# Altium PCB CU-ON-OFF-V2-08-11-18.PcbDoc (part 4 of 14) (continued)
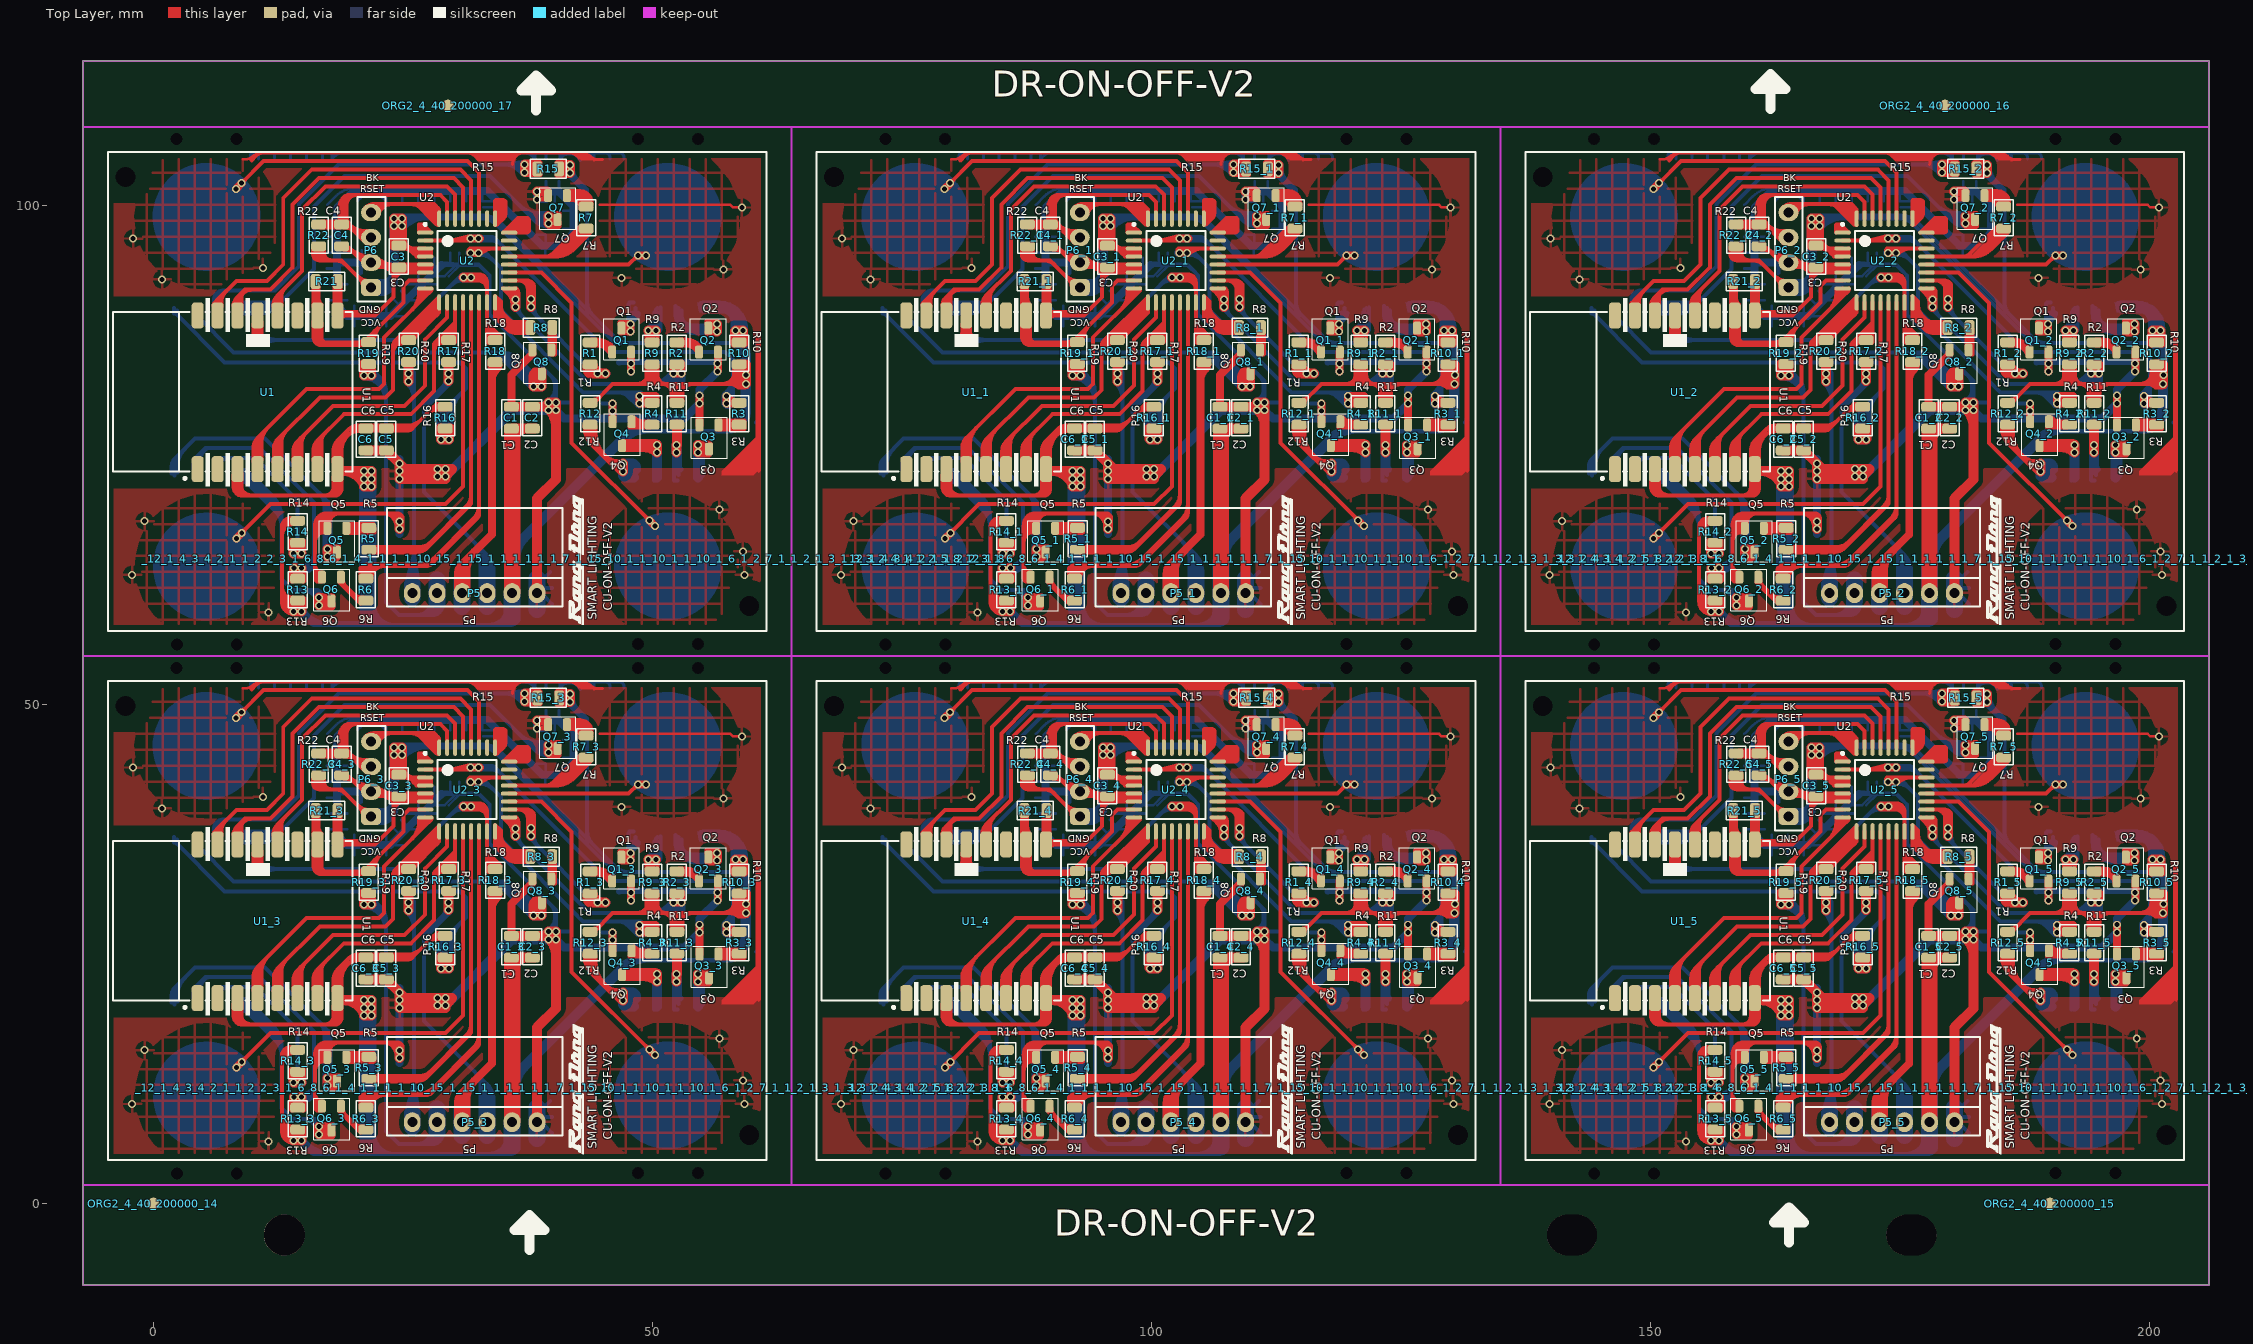
[diagram p0: Top Layer view]
## Nets (pads, with @x,y where several pads share a name; then routed paths per layer and width w, separated by ;. In a path a pad name is that pad's centre, name@x,y a point inside that pad or via, vN(x,y) a via of type N, cw(c..) or ccw(c..) an arc to the next point about the centre after c; other vN are vias at no path point) (continued)
cw(c84.891,13.382) 84.891,13.507 ; 84.791,12.657 85.941,12.657 ccw(c85.941,12.732) 86.016,12.732 ; v1@84.791,63.656 84.791,62.456 ccw(c84.941,62.456) 84.941,62.306 ; v1@84.791,65.131 cw(c84.791,65.156) 84.766,65.156 84.766,66.381 cw(c84.891,66.381) 84.891,66.506 ; 84.791,65.656 85.941,65.656 ccw(c85.941,65.731) 86.016,65.731 ; v1@84.942,10.522 cw(c84.6,10.181) 85.083,10.181 cw(c85.566,10.181) v1@85.224,10.522 ; v1@84.942,63.521 cw(c84.6,63.18) 85.083,63.18 cw(c85.566,63.18) v1@85.224,63.521 ; v1@84.955,6.508 ccw(c84.42,7.407) 85.466,7.407 ; v1@84.955,12.308 ccw(c84.42,13.207) 85.466,13.207 ; v1@84.955,59.507 ccw(c84.42,60.406) 85.466,60.406 ; v1@84.955,65.307 ccw(c84.42,66.206) 85.466,66.206 ; v1@84.983,10.49 cw(c84.746,10.081) 85.203,10.203 ; v1@84.983,63.489 cw(c84.746,63.08) 85.203,63.202 ; 84.993,15.206 ccw(c84.541,14.798) 84.541,15.407 ; 84.993,15.608 cw(c84.541,16.016) 84.541,15.407 ; 84.993,68.205 ccw(c84.541,67.797) 84.541,68.406 ; 84.993,68.607 cw(c84.541,69.015) 84.541,68.406 ; 85.004,7.195 ccw(c84.492,6.683) 84.492,7.407 ccw(c84.492,8.131) 85.004,7.619 ; 85.004,60.194 ccw(c84.492,59.682) 84.492,60.406 ccw(c84.492,61.13) 85.004,60.618 ; v1@85.083,10.652 ccw(c86.261,10.652) 85.428,9.819 ; v1(85.083,10.664) 85.083,9.99 85.466,9.607 ; v1@85.083,63.651 ccw(c86.261,63.651) 85.428,62.818 ; v1(85.083,63.662) 85.083,62.989 85.466,62.606 ; 85.158,21.565 ccw(c84.475,22.248) 85.441,22.248 ccw(c86.407,22.248) 85.724,21.565 ; 85.158,74.564 ccw(c84.475,75.247) 85.441,75.247 ccw(c86.407,75.247) 85.724,74.564 ; v1@85.16,6.165 ccw(c84.839,6.703) 85.466,6.703 ; v1@85.16,11.965 ccw(c84.84,12.503) 85.466,12.503 ; v1@85.16,59.164 ccw(c84.839,59.702) 85.466,59.702 ; v1@85.16,64.964 ccw(c84.84,65.502) 85.466,65.502 ; 85.254,12.995 cw(c84.742,12.483) 85.466,12.483 cw(c86.19,12.483) 85.678,12.995 ; 85.254,65.994 cw(c84.742,65.482) 85.466,65.482 cw(c86.19,65.482) 85.678,65.994 ; v1@85.256,10.564 ccw(c85.683,10.317) 85.207,10.19 ccw(c85.24,10.19) 85.24,10.157 85.991,10.157 ; v1@85.256,63.562 ccw(c85.683,63.316) 85.207,63.189 ccw(c85.24,63.189) 85.24,63.156 85.991,63.156 ; 85.258,7.191 cw(c84.791,6.703) 85.466,6.703 ; 85.258,60.19 cw(c84.791,59.702) 85.466,59.702 ; 85.266,15.707 84.841,15.707 ccw(c84.841,14.732) 83.866,14.732 ; 85.266,68.706 84.841,68.706 ccw(c84.841,67.731) 83.866,67.731 ; 85.347,12.926 ccw(c86.198,13.154) v1@85.9,12.325 ; 85.347,65.925 ccw(c86.198,66.153) v1@85.9,65.324 ; 85.35,7.137 ccw(c86.227,7.373) v1@85.904,6.523 ; 85.35,60.136 ccw(c86.227,60.372) v1@85.904,59.522 ; 85.466,6.652 ccw(c86.047,6.652) v1@85.72,6.171 ; v1@85.466,12.157 85.466,13.207 ; 85.466,12.452 ccw(c86.047,12.452) v1@85.72,11.971 ; 85.466,15.407 84.541,15.407 ; 85.466,59.651 ccw(c86.047,59.651) v1@85.72,59.17 ; v1@85.466,65.156 85.466,66.206 ; 85.466,65.451 ccw(c86.047,65.451) v1@85.72,64.97 ; 85.466,68.406 84.541,68.406 ; v1@85.566,6.057 85.136,6.057 cw(c85.136,7.327) 83.866,7.327 83.866,8.007 ; v1@85.566,59.056 85.136,59.056 cw(c85.136,60.326) 83.866,60.326 83.866,61.006 ; v1@85.633,6.337 ccw(c85.15,6.337) 85.491,6.678 ccw(c85.833,7.019) v1@85.833,6.537 ; v1@85.633,59.336 ccw(c85.15,59.336) 85.491,59.677 ccw(c85.833,60.018) v1@85.833,59.536 ; 85.641,22.457 85.641,23.38 cw(c86.068,23.38) 85.766,23.682 ccw(c87.516,21.932) 85.041,21.932 85.041,21.307 85.041,22.391 cw(c86.407,22.391) 85.441,23.357 ; 85.641,75.456 85.641,76.379 cw(c86.068,76.379) 85.766,76.681 ccw(c87.516,74.931) 85.041,74.931 85.041,74.306 85.041,75.39 cw(c86.407,75.39) 85.441,76.356 ; 85.674,7.191 ccw(c86.141,6.703) 85.466,6.703 ; 85.674,60.19 ccw(c86.141,59.702) 85.466,59.702 ; 85.691,20.582 85.441,20.832 85.441,23.357 ; 85.691,73.581 85.441,73.831 85.441,76.356 ; v1(85.833,6.337) 85.466,6.703 ; v1(85.833,59.336) 85.466,59.702 ; 85.841,21.332 85.841,23.05 cw(c87.548,23.05) 86.341,24.257 ; 85.841,74.331 85.841,76.049 cw(c87.548,76.049) 86.341,77.256 ; v1@85.945,6.502 cw(c86.56,7.407) 85.466,7.407 ; v1@85.945,12.302 cw(c86.56,13.207) 85.466,13.207 ; v1@85.945,59.501 cw(c86.56,60.406) 85.466,60.406 ; v1@85.945,65.301 cw(c86.56,66.206) 85.466,66.206 ; 85.966,13.482 cw(c85.966,13.332) 86.116,13.332 86.116,12.207 cw(c86.066,12.207) v1@86.066,12.157 ; 85.966,66.481 cw(c85.966,66.331) 86.116,66.331 86.116,65.206 cw(c86.066,65.206) v1@86.066,65.156 ; 85.991,7.707 cw(c85.991,7.557) 86.141,7.557 86.141,6.407 cw(c86.066,6.407) v1@86.066,6.332 ; 85.991,9.307 ccw(c85.991,9.457) 86.141,9.457 v1@86.141,10.682 ; 85.991,60.706 cw(c85.991,60.556) 86.141,60.556 86.141,59.406 cw(c86.066,59.406) v1@86.066,59.331 ; 85.991,62.306 ccw(c85.991,62.456) 86.141,62.456 v1@86.141,63.681 ; 87.016,42.832 87.016,42.069 ccw(c87.528,42.069) 87.166,41.707 ccw(c87.649,42.19) 87.649,41.507 88.016,41.507 ; 87.016,95.831 87.016,95.068 ccw(c87.528,95.068) 87.166,94.706 ccw(c87.649,95.189) 87.649,94.506 88.016,94.506 ; 87.041,34.332 87.041,33.836 ccw(c87.894,33.836) 87.291,33.232 ccw(c87.774,33.715) 87.774,33.032 87.891,33.032 ; 87.041,35.357 87.041,34.2 ccw(c87.809,34.2) 87.266,33.657 ; 87.041,36.882 87.041,38.839 cw(c87.809,38.839) 87.266,39.382 ; 87.041,87.331 87.041,86.835 ccw(c87.894,86.835) 87.291,86.231 ccw(c87.774,86.714) 87.774,86.031 87.891,86.031 ; 87.041,88.356 87.041,87.199 ccw(c87.809,87.199) 87.266,86.656 ; 87.041,89.881 87.041,91.838 cw(c87.809,91.838) 87.266,92.381 ; 87.054,38.92 cw(c86.542,38.408) 87.266,38.408 cw(c87.99,38.408) 87.478,38.92 ; 87.054,91.919 cw(c86.542,91.407) 87.266,91.407 cw(c87.99,91.407) 87.478,91.919 ; 87.066,42.532 87.591,42.532 87.591,41.932 88.016,41.507 ; 87.066,95.531 87.591,95.531 87.591,94.931 88.016,94.506 ; 87.158,21.565 ccw(c86.475,22.248) 87.441,22.248 ccw(c88.407,22.248) 87.724,21.565 ; 87.158,74.564 ccw(c86.475,75.247) 87.441,75.247 ccw(c88.407,75.247) 87.724,74.564 ; 87.191,11.182 87.191,10.975 ccw(c87.959,10.975) 87.416,10.432 87.418,10.43 ccw(c88.016,11.027) 88.016,10.182 ; 87.191,64.181 87.191,63.974 ccw(c87.959,63.974) 87.416,63.431 87.418,63.428 ccw(c88.016,64.026) 88.016,63.181 ; 87.266,33.894 cw(c88.829,33.894) 87.724,34.999 ; 87.266,38.07 ccw(c88.829,38.07) 87.724,36.965 ; 87.266,38.732 87.266,33.657 ; 87.266,86.893 cw(c88.829,86.893) 87.724,87.998 ; 87.266,91.069 ccw(c88.829,91.069) 87.724,89.964 ; 87.266,91.731 87.266,86.656 ; v1@87.456,7.041 cw(c88.068,6.608) 88.068,7.357 ; v1@87.456,60.04 cw(c88.068,59.607) 88.068,60.356 ; 87.466,10.182 87.466,9.342 cw(c87.451,9.342) 87.462,9.332 ; 87.466,45.107 89.866,45.107 89.866,47.282 90.636,48.052 ; 87.466,63.181 87.466,62.341 cw(c87.451,62.341) 87.462,62.331 ; 87.466,98.106 89.866,98.106 89.866,100.281 90.636,101.051 ; v1@87.471,7.566 ccw(c87.941,7.99) 87.941,7.357 ; v1@87.471,60.565 ccw(c87.941,60.989) 87.941,60.356 ; 87.541,39.357 87.541,37.781 ccw(c88.565,37.781) 87.841,37.057 ; 87.541,92.356 87.541,90.78 ccw(c88.565,90.78) 87.841,90.056 ; 87.566,34.807 87.566,33.946 ccw(c87.781,33.946) 87.629,33.794 cw(c87.117,33.282) 87.841,33.282 ; 87.566,87.806 87.566,86.945 ccw(c87.781,86.945) 87.629,86.793 cw(c87.117,86.281) 87.841,86.281 ; 87.591,42.122 ccw(c86.781,42.122) 87.354,42.695 87.354,41.894 cw(c87.329,41.894) 87.346,41.876 ccw(c87.816,42.346) 87.816,41.682 ; 87.591,42.243 cw(c88.23,42.243) 87.778,42.695 ccw(c89.046,42.695) 88.149,41.799 88.178,41.77 cw(c87.964,41.557) 88.266,41.557 ; 87.591,95.121 ccw(c86.781,95.121) 87.354,95.694 87.354,94.893 cw(c87.329,94.893) 87.346,94.875 ccw(c87.816,95.345) 87.816,94.681 ; 87.591,95.242 cw(c88.23,95.242) 87.778,95.694 ccw(c89.046,95.694) 88.149,94.798 88.178,94.769 cw(c87.964,94.556) 88.266,94.556 ; 87.603,14.419 cw(c88.187,13.835) 88.522,14.59 ; 87.603,67.418 cw(c88.187,66.834) 88.522,67.589 ; v1@87.616,7.907 ccw(c87.616,7.957) 87.666,7.957 cw(c87.691,7.957) 87.691,7.982 88.891,7.982 cw(c88.891,7.832) 89.041,7.832 ; v1@87.616,60.906 ccw(c87.616,60.956) 87.666,60.956 cw(c87.691,60.956) 87.691,60.981 88.891,60.981 cw(c88.891,60.831) 89.041,60.831 ; v1@87.619,7.5 cw(c87.619,7.017) 87.961,7.359 cw(c88.302,7.7) v1@87.819,7.7 ; v1(87.619,7.7) 87.962,7.357 88.841,7.357 ; v1@87.619,60.499 cw(c87.619,60.016) 87.961,60.358 cw(c88.302,60.699) v1@87.819,60.699 ; v1(87.619,60.699) 87.962,60.356 88.841,60.356 ; v1@87.641,6.632 88.866,6.632 ccw(c88.866,6.807) 89.041,6.807 89.041,7.057 ccw(c88.966,7.057) 88.966,7.132 ; v1@87.641,59.631 88.866,59.631 ccw(c88.866,59.806) 89.041,59.806 89.041,60.056 ccw(c88.966,60.056) 88.966,60.131 ; v1@87.651,7.171 ccw(c87.389,7.561) v1@87.791,7.803 ; v1@87.651,60.17 ccw(c87.389,60.56) v1@87.791,60.802 ; 87.691,20.582 87.441,20.832 87.441,23.432 ; 87.691,73.581 87.441,73.831 87.441,76.431 ; 87.741,44.807 89.71,44.807 ; 87.741,97.806 89.71,97.806 ; v1@87.768,7.834 ccw(c88.841,8.802) 88.841,7.357 ccw(c88.841,6.061) v1@87.783,6.81 ; v1@87.768,60.833 ccw(c88.841,61.801) 88.841,60.356 ccw(c88.841,59.06) v1@87.783,59.809 ; 87.841,21.232 87.841,23.372 cw(c88.951,23.372) 88.166,24.157 ; 87.841,35.207 87.841,33.774 ccw(c88.366,33.774) 87.995,33.403 ; 87.841,74.231 87.841,76.371 cw(c88.951,76.371) 88.166,77.156 ; 87.841,88.206 87.841,86.773 ccw(c88.366,86.773) 87.995,86.402 ; 87.866,9.332 87.462,9.332 ; 87.866,62.331 87.462,62.331 ; 87.874,10.206 cw(c87.803,11.069) 87.191,10.457 ; 87.874,63.205 cw(c87.803,64.068) 87.191,63.456 ; 87.891,9.757 87.191,10.457 ; 87.891,23.882 ccw(c89.943,21.83) 87.041,21.83 87.041,21.457 87.041,22.466 cw(c88.407,22.466) 87.441,23.432 ; 87.891,62.756 87.191,63.456 ; 87.891,76.881 ccw(c89.943,74.829) 87.041,74.829 87.041,74.456 87.041,75.465 cw(c88.407,75.465) 87.441,76.431 ; v1@87.941,7.757 88.841,7.757 ; v1@87.941,60.756 88.841,60.756 ; 88.028,44.895 cw(c88.54,44.383) 88.54,45.107 cw(c88.54,45.831) 88.028,45.319 ; 88.028,97.894 cw(c88.54,97.382) 88.54,98.106 cw(c88.54,98.83) 88.028,98.318 ; 88.116,43.007 88.116,42.155 ccw(c88.713,42.155) 88.291,41.732 ccw(c88.834,42.275) 88.834,41.507 ; 88.116,96.006 88.116,95.153 ccw(c88.713,95.153) 88.291,94.731 ccw(c88.834,95.274) 88.834,94.506 ; 88.191,17.932 ccw(c88.191,18.837) 88.831,18.197 ccw(c88.325,18.704) 89.041,18.704 89.041,19.807 ; 88.191,70.931 ccw(c88.191,71.836) 88.831,71.196 ccw(c88.325,71.703) 89.041,71.703 89.041,72.806 ; 88.316,6.632 88.316,6.832 cw(c88.7,6.832) 88.7,7.216 ccw(c88.358,6.874) 88.358,7.357 ccw(c88.358,7.84) 88.7,7.498 ; 88.316,59.631 88.316,59.831 cw(c88.7,59.831) 88.7,60.215 ccw(c88.358,59.873) 88.358,60.356 ccw(c88.358,60.839) 88.7,60.497 ; v1@88.466,11.557 88.466,11.532 89.266,11.532 ccw(c89.266,11.857) 89.591,11.857 ; v1@88.466,12.907 89.591,12.907 89.591,12.507 ; 88.466,15.107 87.913,15.107 ; v1@88.466,64.556 88.466,64.531 89.266,64.531 ccw(c89.266,64.856) 89.591,64.856 ; v1@88.466,65.906 89.591,65.906 89.591,65.506 ; 88.466,68.106 87.913,68.106 ; v1@88.47,12.475 v1@88.627,12.632 ; v1@88.47,65.474 v1@88.627,65.631 ; v1@88.611,12.459 cw(c89.03,12.04) 89.03,12.632 ; v1@88.611,12.741 ccw(c88.876,13.006) 88.876,12.632 ; v1@88.611,65.458 cw(c89.03,65.039) 89.03,65.631 ; v1@88.611,65.74 ccw(c88.876,66.005) 88.876,65.631 ; v1@88.613,12.46 cw(c88.851,12.226) 88.938,12.549 ; v1@88.613,65.459 cw(c88.851,65.225) 88.938,65.548 ; 88.616,14.807 88.616,15.616 cw(c88.957,15.616) 88.716,15.857 cw(c89.44,15.133) 89.44,16.157 89.991,16.157 ; 88.616,67.806 88.616,68.615 cw(c88.957,68.615) 88.716,68.856 cw(c89.44,68.132) 89.44,69.156 89.991,69.156 ; 88.641,14.807 88.641,15.193 cw(c89.58,15.193) 88.916,15.857 cw(c89.64,15.133) 89.64,16.157 90.391,16.157 ; 88.641,67.806 88.641,68.192 cw(c89.58,68.192) 88.916,68.856 cw(c89.64,68.132) 89.64,69.156 90.391,69.156 ; 88.891,33.032 cw(c88.891,34.299) 87.995,33.403 ; 88.891,86.031 cw(c88.891,87.298) 87.995,86.402 ; 88.991,11.557 ccw(c88.991,11.596) 89.03,11.596 ; 88.991,64.556 ccw(c88.991,64.595) 89.03,64.595 ; 89.041,21.307 89.041,22.406 cw(c90.492,22.406) 89.466,23.432 ; 89.041,74.306 89.041,75.405 cw(c90.492,75.405) 89.466,76.431 ; 89.158,19.599 cw(c88.415,18.856) 89.466,18.856 ; 89.158,21.565 ccw(c88.415,22.308) 89.466,22.308 ; 89.158,72.598 cw(c88.415,71.855) 89.466,71.855 ; 89.158,74.564 ccw(c88.415,75.307) 89.466,75.307 ; 89.166,39.032 89.166,36.984 cw(c89.139,36.984) 89.158,36.965 ccw(c88.415,37.708) 89.466,37.708 ; 89.166,92.031 89.166,89.983 cw(c89.139,89.983) 89.158,89.964 ccw(c88.415,90.707) 89.466,90.707 ; 89.241,19.732 ccw(c89.262,19.711) 89.232,19.711 89.232,18.073 cw(c88.891,18.415) 88.891,17.932 ; 89.241,23.007 89.241,20.992 ccw(c89.326,20.992) 89.266,20.932 ; 89.241,72.731 ccw(c89.262,72.71) 89.232,72.71 89.232,71.072 cw(c88.891,71.414) 88.891,70.931 ; 89.241,76.006 89.241,73.991 ccw(c89.326,73.991) 89.266,73.931 ; 89.247,12.368 ccw(c88.627,11.772) v1@88.627,12.632 ; 89.247,65.367 ccw(c88.627,64.771) v1@88.627,65.631 ; 89.254,38.92 cw(c88.742,38.408) 89.466,38.408 cw(c90.19,38.408) 89.678,38.92 ; 89.254,91.919 cw(c88.742,91.407) 89.466,91.407 cw(c90.19,91.407) 89.678,91.919 ; 89.391,12.632 v1@88.627,12.632 ; 89.391,65.631 v1@88.627,65.631 ; 89.404,44.895 ccw(c88.892,44.383) 88.892,45.107 ccw(c88.892,45.831) 89.404,45.319 ; 89.404,97.894 ccw(c88.892,97.382) 88.892,98.106 ccw(c88.892,98.83) 89.404,98.318 ; 89.441,35.982 89.943,36.349 92.988,36.349 ccw(c92.988,37.785) 93.991,36.757 ccw(c92.988,37.785) 94.003,36.77 ; 89.441,88.981 89.943,89.348 92.988,89.348 ccw(c92.988,90.784) 93.991,89.756 ccw(c92.988,90.784) 94.003,89.769 ; 89.466,18.977 cw(c90.346,18.977) 89.724,19.599 ; 89.466,37.587 ccw(c90.346,37.587) 89.724,36.965 ccw(c89.622,37.067) 89.766,37.067 89.766,39.182 ; 89.466,39.382 89.466,35.982 93.216,35.982 94.003,36.77 ; 89.466,71.976 cw(c90.346,71.976) 89.724,72.598 ; 89.466,90.586 ccw(c90.346,90.586) 89.724,89.964 ccw(c89.622,90.066) 89.766,90.066 89.766,92.181 ; 89.466,92.381 89.466,88.981 93.216,88.981 94.003,89.769 ; 89.541,20.382 89.441,20.582 89.466,20.582 ; 89.541,73.381 89.441,73.581 89.466,73.581 ; 89.591,9.332 ccw(c89.712,9.332) 89.626,9.247 91.741,7.132 ; 89.591,62.331 ccw(c89.712,62.331) 89.626,62.246 91.741,60.131 ; 89.666,45.382 87.926,45.382 cw(c87.926,45.467) 87.866,45.407 ccw(c88.047,45.588) 88.047,45.332 90.066,45.332 ; 89.666,98.381 87.926,98.381 cw(c87.926,98.466) 87.866,98.406 ccw(c88.047,98.587) 88.047,98.331 90.066,98.331 ; 89.724,20.299 cw(c90.407,19.616) 90.407,20.582 cw(c90.407,21.548) 89.724,20.865 ; 89.724,21.565 cw(c90.346,22.187) 89.466,22.187 cw(c91.505,22.187) 90.063,23.629 90.178,23.744 ccw(c89.964,23.957) 90.266,23.957 ; 89.724,35.699 cw(c90.407,35.016) 90.407,35.982 cw(c90.407,36.948) 89.724,36.265 ; 89.724,73.298 cw(c90.407,72.615) 90.407,73.581 cw(c90.407,74.547) 89.724,73.864 ; 89.724,74.564 cw(c90.346,75.186) 89.466,75.186 cw(c91.505,75.186) 90.063,76.628 90.178,76.743 ccw(c89.964,76.956) 90.266,76.956 ; 89.724,88.698 cw(c90.407,88.015) 90.407,88.981 cw(c90.407,89.947) 89.724,89.264 ; 89.791,9.757 89.791,9.332 91.716,7.407 92.291,7.407 ; 89.791,62.756 89.791,62.331 91.716,60.406 92.291,60.406 ; 89.841,21.232 89.841,22.342 cw(c92.231,22.342) 90.541,24.032 cw(c91.386,23.187) 91.386,24.382 92.341,24.382 ; 89.841,21.482 89.841,18.615 cw(c89.158,18.615) 89.641,18.132 cw(c89.158,18.615) 89.158,17.932 88.891,17.932 ; 89.841,74.231 89.841,75.341 cw(c92.231,75.341) 90.541,77.031 cw(c91.386,76.186) 91.386,77.381 92.341,77.381 ; 89.841,74.481 89.841,71.614 cw(c89.158,71.614) 89.641,71.131 cw(c89.158,71.614) 89.158,70.931 88.891,70.931 ; 89.991,9.507 ccw(c90.896,9.507) 90.256,8.867 ; 89.991,20.082 90.073,20.082 cw(c90.073,18.29) 91.341,19.557 91.543,19.355 cw(c90.946,18.757) v1@91.791,18.757 ; 89.991,62.506 ccw(c90.896,62.506) 90.256,61.866 ; 89.991,73.081 90.073,73.081 cw(c90.073,71.289) 91.341,72.556 91.543,72.353 cw(c90.946,71.756) v1@91.791,71.756 ; 90.116,42.607 cw(c90.116,41.038) 91.226,42.147 ; 90.116,44.807 cw(c90.116,43.298) 91.183,44.365 ; 90.116,95.606 cw(c90.116,94.037) 91.226,95.146 ; 90.116,97.806 cw(c90.116,96.297) 91.183,97.364 ; 90.141,42.907 90.466,42.907 92.691,40.682 92.816,41.282 ; 90.141,95.906 90.466,95.906 92.691,93.681 92.816,94.281 ; 90.241,47.632 ccw(c90.634,47.239) 90.078,47.239 90.078,45.319 cw(c90.59,45.831) 89.866,45.831 cw(c89.142,45.831) 89.654,45.319 89.654,46.791 cw(c91.113,46.791) 90.081,47.822 cw(c90.636,47.267) 90.636,48.052 ; 90.241,100.631 ccw(c90.634,100.238) 90.078,100.238 90.078,98.318 cw(c90.59,98.83) 89.866,98.83 cw(c89.142,98.83) 89.654,98.318 89.654,99.79 cw(c91.113,99.79) 90.081,100.821 cw(c90.636,100.266) 90.636,101.051 ; 90.266,41.082 ccw(c89.24,40.056) 89.24,41.507 88.834,41.507 ; 90.266,45.107 90.441,45.107 ; 90.266,94.081 ccw(c89.24,93.055) 89.24,94.506 88.834,94.506 ; 90.266,98.106 90.441,98.106 ; 90.341,14.657 92.891,14.657 ; 90.341,14.832 92.241,14.832 ; 90.341,15.107 92.935,15.107 cw(c92.935,14.851) 93.116,15.032 ; 90.341,45.357 90.341,46.962 ; 90.341,67.656 92.891,67.656 ; 90.341,67.831 92.241,67.831 ; 90.341,68.106 92.935,68.106 cw(c92.935,67.85) 93.116,68.031 ; 90.341,98.356 90.341,99.961 ; 90.482,15.048 ccw(c91.005,15.571) 91.005,14.832 ; 90.482,68.047 ccw(c91.005,68.57) 91.005,67.831 ; 90.575,42.798 ccw(c92.666,44.889) 92.666,41.932 ; 90.575,95.797 ccw(c92.666,97.888) 92.666,94.931 ; 90.928,33.032 ccw(c90.928,34.695) 92.104,33.519 ; 90.928,86.031 ccw(c90.928,87.694) 92.104,86.518 ; 90.974,8.149 ccw(c92.041,9.216) 92.041,7.707 ; 90.974,61.148 ccw(c92.041,62.215) 92.041,60.706 ; 90.993,44.555 ccw(c92.323,45.885) 92.626,44.029 ; 90.993,97.554 ccw(c92.323,98.884) 92.626,97.028 ; 91.125,20.582 cw(c91.125,19.416) v1@91.95,20.241 ; 91.125,73.581 cw(c91.125,72.415) v1@91.95,73.24 ; 91.136,24.582 ccw(c91.136,25.562) 91.829,24.869 ; 91.136,77.581 ccw(c91.136,78.561) 91.829,77.868 ; 91.166,20.107 91.67,19.603 cw(c91.5,19.432) v1@91.741,19.432 ; 91.166,73.106 91.67,72.602 cw(c91.5,72.431) v1@91.741,72.431 ; 91.258,42.115 ccw(c92.666,43.524) 92.666,41.532 ; 91.258,95.114 ccw(c92.666,96.523) 92.666,94.531 ; 91.315,14.832 cw(c91.315,13.681) 92.129,14.495 ; 91.315,67.831 cw(c91.315,66.68) 92.129,67.494 ; 91.386,39.962 ccw(c92.666,41.243) 92.666,39.432 ; 91.386,92.961 ccw(c92.666,94.242) 92.666,92.431 ; 91.498,24.582 cw(c91.498,24.114) 91.829,24.445 96.429,24.445 ccw(c96.429,25.169) 96.941,24.657 ; 91.498,77.581 cw(c91.498,77.113) 91.829,77.444 96.429,77.444 ccw(c96.429,78.168) 96.941,77.656 ; 91.545,44.003 ccw(c92.478,44.936) 92.69,43.634 ; 91.545,97.002 ccw(c92.478,97.935) 92.69,96.633 ; 91.616,33.032 92.791,33.032 ; 91.616,86.031 92.791,86.031 ; 91.627,39.721 cw(c90.688,38.782) 92.016,38.782 ; 91.627,92.72 cw(c90.688,91.781) 92.016,91.781 ; 91.741,9.557 91.741,10.216 ; 91.741,62.556 91.741,63.215 ; 91.893,33.032 ccw(c91.893,33.729) 92.387,33.236 ; 91.893,86.031 ccw(c91.893,86.728) 92.387,86.235 ; v1@91.9,20.582 cw(c91.9,19.416) v1@92.725,20.241 ; v1@91.9,73.581 cw(c91.9,72.415) v1@92.725,73.24 ; v1@91.973,30.144 ccw(c91.128,31.307) 92.566,31.307 92.566,30.157 v1@92.741,29.982 ; v1@91.973,83.143 ccw(c91.128,84.306) 92.566,84.306 92.566,83.156 v1@92.741,82.981 ; 92.049,43.578 ccw(c91.766,43.484) 91.766,43.782 ; 92.049,43.986 cw(c91.766,44.08) 91.766,43.782 ; 92.049,96.577 ccw(c91.766,96.483) 91.766,96.781 ; 92.049,96.985 cw(c91.766,97.079) 91.766,96.781 ; 92.103,39.245 89.841,41.507 ; 92.103,92.243 89.841,94.506 ; v1@92.128,29.71 cw(c92.496,29.44) v1@92.753,29.817 ; v1@92.128,82.709 cw(c92.496,82.439) v1@92.753,82.816 ; 92.143,33.062 ccw(c91.985,32.838) 91.791,33.032 ; 92.143,86.061 ccw(c91.985,85.837) 91.791,86.031 ; v1@92.209,29.82 ccw(c91.699,30.522) 92.566,30.522 ; v1@92.209,82.819 ccw(c91.699,83.521) 92.566,83.521 ; 92.216,46.757 cw(c93.121,45.852) 93.121,47.132 94.966,47.132 ; 92.216,48.057 91.294,48.057 ccw(c91.294,47.203) 90.691,47.807 ccw(c91.536,46.962) 90.341,46.962 ; 92.216,99.756 cw(c93.121,98.851) 93.121,100.131 94.966,100.131 ; 92.216,101.056 91.294,101.056 ccw(c91.294,100.202) 90.691,100.806 ccw(c91.536,99.961) 90.341,99.961 ; v1@92.278,20.312 cw(c92.666,20.169) v1@92.666,20.582 ; v1@92.278,73.311 cw(c92.666,73.168) v1@92.666,73.581 ; 92.291,9.607 93.566,10.882 98.341,10.882 ; 92.291,62.606 93.566,63.881 98.341,63.881 ; 92.316,33.307 cw(c92.919,33.307) 92.493,33.734 ; 92.316,86.306 cw(c92.919,86.306) 92.493,86.733 ; 92.341,14.407 91.074,14.407 ccw(c91.074,13.724) 90.591,14.207 93.02,14.207 ccw(c93.02,14.378) 93.141,14.257 93.141,14.632 ; 92.341,33.582 92.256,33.582 ccw(c92.256,33.367) 92.104,33.519 ; 92.341,67.406 91.074,67.406 ccw(c91.074,66.723) 90.591,67.206 93.02,67.206 ccw(c93.02,67.377) 93.141,67.256 93.141,67.631 ; 92.341,86.581 92.256,86.581 ccw(c92.256,86.366) 92.104,86.518 ; 92.354,30.895 cw(c91.842,30.383) 92.566,30.383 cw(c93.29,30.383) 92.778,30.895 ; 92.354,83.894 cw(c91.842,83.382) 92.566,83.382 cw(c93.29,83.382) 92.778,83.894 ; v1@92.372,30.043 cw(c92.729,29.782) v1@92.979,30.147 ; v1@92.372,83.042 cw(c92.729,82.781) v1@92.979,83.146 ; 92.516,43.182 cw(c92.516,43.544) 92.26,43.288 91.766,43.782 ; 92.516,96.181 cw(c92.516,96.543) 92.26,96.287 91.766,96.781 ; 92.566,31.189 ccw(c94.073,31.189) v1@93.007,30.123 ; 92.566,84.188 ccw(c94.073,84.188) v1@93.007,83.122 ; 92.577,46.671 cw(c93.69,45.558) 93.69,47.132 ; 92.577,99.67 cw(c93.69,98.557) 93.69,100.131 ; 92.591,46.682 93.041,47.132 99.116,47.132 99.641,46.607 99.641,45.682 ; 92.591,99.681 93.041,100.131 99.116,100.131 99.641,99.606 99.641,98.681 ; 92.616,12.507 98.016,12.507 102.841,17.332 ; 92.616,65.506 98.016,65.506 102.841,70.331 ; 92.716,33.307 cw(c94.285,33.307) 93.176,34.417 ; 92.716,86.306 cw(c94.285,86.306) 93.176,87.416 ; 92.741,41.057 95.116,41.057 95.591,40.782 ; 92.741,94.056 95.116,94.056 95.591,93.781 ; 92.753,22.245 cw(c93.084,21.914) 93.084,22.382 ; 92.753,22.669 ccw(c93.446,23.362) 93.446,22.382 ; 92.753,24.445 cw(c93.084,24.114) 93.084,24.582 ; 92.753,24.869 ccw(c93.446,25.562) 93.446,24.582 ; 92.753,75.244 cw(c93.084,74.913) 93.084,75.381 ; 92.753,75.668 ccw(c93.446,76.361) 93.446,75.381 ; 92.753,77.444 cw(c93.084,77.113) 93.084,77.581 ; 92.753,77.868 ccw(c93.446,78.561) 93.446,77.581 ; 92.816,43.782 91.766,43.782 ; 92.816,96.781 91.766,96.781 ; 92.841,9.607 cw(c94.169,9.607) 93.23,10.546 ; 92.841,62.606 cw(c94.169,62.606) 93.23,63.545 ; 92.86,46.388 cw(c94.656,44.592) 94.656,47.132 ; 92.86,99.387 cw(c94.656,97.591) 94.656,100.131 ; v1(92.866,20.382) v1@92.666,20.582 ; v1(92.866,73.381) v1@92.666,73.581 ; 93.053,12.295 cw(c93.565,11.783) 93.565,12.507 cw(c93.565,13.231) 93.053,12.719 ; 93.053,65.294 cw(c93.565,64.782) 93.565,65.506 cw(c93.565,66.23) 93.053,65.718 ; 93.116,33.307 cw(c95.651,33.307) 93.858,35.099 ; 93.116,86.306 cw(c95.651,86.306) 93.858,88.098 ; 93.141,10.457 cw(c94.167,9.431) 94.167,10.882 94.941,10.882 ; 93.141,63.456 cw(c94.167,62.43) 94.167,63.881 94.941,63.881 ; 93.143,41.459 ccw(c94.113,42.429) 94.113,41.057 ; 93.143,94.458 ccw(c94.113,95.428) 94.113,94.056 ; 93.186,22.382 ccw(c93.186,23.362) 93.879,22.669 ; 93.186,75.381 ccw(c93.186,76.361) 93.879,75.668 ; 93.186,24.582 ccw(c93.186,25.562) 93.879,24.869 ; 93.186,77.581 ccw(c93.186,78.561) 93.879,77.868 ; 93.424,40.833 cw(c93.703,39.194) 95.131,40.046 ; 93.424,93.832 cw(c93.703,92.193) 95.131,93.045 ; 93.426,40.822 cw(c93.992,40.256) 93.992,41.057 ; 93.426,41.742 ccw(c95.078,43.394) 95.078,41.057 ; 93.426,93.821 cw(c93.992,93.255) 93.992,94.056 ; 93.426,94.741 ccw(c95.078,96.393) 95.078,94.056 ; 93.548,22.382 cw(c93.548,21.914) 93.879,22.245 ; 93.548,24.582 cw(c93.548,24.114) 93.879,24.445 ; 93.548,75.381 cw(c93.548,74.913) 93.879,75.244 ; 93.548,77.581 cw(c93.548,77.113) 93.879,77.444 ; 93.591,46.107 cw(c94.255,46.107) 93.785,46.576 94.04,46.832 cw(c94.766,46.106) 94.766,47.132 ; 93.591,99.106 cw(c94.255,99.106) 93.785,99.575 94.04,99.83 cw(c94.766,99.105) 94.766,100.131 ; 93.741,10.882 92.867,10.882 ccw(c92.867,9.431) 91.841,10.457 ccw(c92.082,10.216) 91.741,10.216 ; 93.741,63.881 92.867,63.881 ccw(c92.867,62.43) 91.841,63.456 ccw(c92.082,63.215) 91.741,63.215 ; 93.953,41.057 cw(c93.953,39.394) 95.129,40.57 ; 93.953,94.056 cw(c93.953,92.393) 95.129,93.569 ; 94.016,16.157 94.061,16.157 cw(c94.061,14.877) 94.966,15.782 cw(c94,14.816) v1@95.366,14.816 ; 94.016,69.156 94.061,69.156 cw(c94.061,67.876) 94.966,68.781 cw(c94,67.815) v1@95.366,67.815 ; 94.341,24.582 90.616,24.582 ; 94.341,24.657 96.941,24.657 ; 94.341,77.581 90.616,77.581 ; 94.341,77.656 96.941,77.656 ; 94.803,24.445 cw(c95.315,23.933) 95.315,24.657 cw(c95.315,25.381) 94.803,24.869 ; 94.803,77.444 cw(c95.315,76.932) 95.315,77.656 cw(c95.315,78.38) 94.803,77.868 ; v1@94.841,44.982 94.841,42.984 ccw(c95.268,42.984) 94.966,42.682 95.741,42.682 ; v1@94.841,97.981 94.841,95.983 ccw(c95.268,95.983) 94.966,95.681 95.741,95.681 ; 94.918,41.057 cw(c94.918,40.359) 95.412,40.853 ; 94.918,94.056 cw(c94.918,93.358) 95.412,93.852 ; v1@94.992,44.784 cw(c94.51,44.302) 95.191,44.302 ; v1@94.992,97.783 cw(c94.51,97.301) 95.191,97.301 ; 95.016,32.207 95.016,32.339 cw(c95.784,32.339) 95.241,32.882 cw(c96.026,32.097) 96.026,33.207 96.191,33.207 ; 95.016,85.206 95.016,85.338 cw(c95.784,85.338) 95.241,85.881 cw(c96.026,85.096) 96.026,86.206 96.191,86.206 ; 95.066,39.394 cw(c96.729,39.394) 95.553,40.57 ; 95.066,40.36 cw(c95.763,40.36) 95.27,40.853 ; 95.066,92.393 cw(c96.729,92.393) 95.553,93.569 ; 95.066,93.359 cw(c95.763,93.359) 95.27,93.852 ; v1(95.133,44.925) 95.133,43.44 95.591,42.982 ; v1(95.133,97.924) 95.133,96.439 95.591,95.981 ; 95.165,16.083 cw(c94.44,15.357) 95.466,15.357 94.666,16.157 ; 95.165,69.082 cw(c94.44,68.356) 95.466,68.356 94.666,69.156 ; 95.191,44.068 ccw(c96.427,44.068) 95.553,43.194 ; v1@95.191,44.925 95.191,43.232 95.741,42.682 ; 95.191,97.067 ccw(c96.427,97.067) 95.553,96.193 ; v1@95.191,97.924 95.191,96.231 95.741,95.681 ; 95.241,40.707 95.616,41.082 98.241,41.082 ; 95.241,93.706 95.616,94.081 98.241,94.081 ; v1@95.525,14.723 ccw(c95.183,15.065) 95.666,15.065 ccw(c96.149,15.065) v1@95.807,14.723 ; v1@95.525,15.216 cw(c95.183,14.874) 95.666,14.874 cw(c96.149,14.874) v1@95.807,15.216 ; v1@95.525,19.748 ccw(c95.183,20.09) 95.666,20.09 ccw(c96.149,20.09) v1@95.807,19.748 ; v1@95.525,20.523 ccw(c95.183,20.865) 95.666,20.865 ccw(c96.149,20.865) 95.807,20.523 ccw(c97.356,22.072) 97.356,19.882 ; v1@95.525,21.016 cw(c95.183,20.674) 95.666,20.674 cw(c96.149,20.674) v1@95.807,21.016 ; v1@95.525,67.722 ccw(c95.183,68.064) 95.666,68.064 ccw(c96.149,68.064) v1@95.807,67.722 ; v1@95.525,68.215 cw(c95.183,67.873) 95.666,67.873 cw(c96.149,67.873) v1@95.807,68.215 ; v1@95.525,72.747 ccw(c95.183,73.089) 95.666,73.089 ccw(c96.149,73.089) v1@95.807,72.747 ; v1@95.525,73.522 ccw(c95.183,73.864) 95.666,73.864 ccw(c96.149,73.864) 95.807,73.522 ccw(c97.356,75.071) 97.356,72.881 ; v1@95.525,74.015 cw(c95.183,73.673) 95.666,73.673 cw(c96.149,73.673) v1@95.807,74.015 ; v1@95.548,15.195 cw(c95.413,15.009) v1@95.635,14.95 ; v1@95.548,20.995 cw(c95.413,20.809) v1@95.635,20.75 ; v1@95.548,68.194 cw(c95.413,68.008) v1@95.635,67.949 ; v1@95.548,73.994 cw(c95.413,73.808) v1@95.635,73.749 ; v1(95.666,15.357) 95.666,15.582 95.091,16.157 ; v1(95.666,19.607) v1@95.666,19.882 ; v1(95.666,20.382) v1@95.891,20.607 ; v1(95.666,68.356) 95.666,68.581 95.091,69.156 ; v1(95.666,72.606) v1@95.666,72.881 ; v1(95.666,73.381) v1@95.891,73.606 ; v1@95.694,20.131 cw(c95.445,19.744) v1@95.836,19.502 ; v1@95.694,73.13 cw(c95.445,72.743) v1@95.836,72.501 ; v1@95.697,14.95 cw(c95.919,15.009) v1@95.784,15.195 ; v1@95.697,20.75 cw(c95.919,20.809) v1@95.784,20.995 ; v1@95.697,67.949 cw(c95.919,68.008) v1@95.784,68.194 ; v1@95.697,73.749 cw(c95.919,73.808) v1@95.784,73.994 ; v1@95.733,19.832 v1@99.391,19.832 ; v1@95.733,72.831 v1@99.391,72.831 ; 95.77,40.853 cw(c96.324,40.299) 96.324,41.082 ; 95.77,42.911 ccw(c96.324,43.465) 96.324,42.682 ; 95.77,93.852 cw(c96.324,93.298) 96.324,94.081 ; 95.77,95.91 ccw(c96.324,96.464) 96.324,95.681 ; v1@95.807,19.466 cw(c96.813,18.46) 96.813,19.882 ; v1@95.807,72.465 cw(c96.813,71.459) 96.813,72.881 ; v1@95.953,15.62 95.416,16.157 ; v1@95.953,68.619 95.416,69.156 ; 95.966,14.857 95.966,15.597 ccw(c95.4,15.597) 95.8,15.998 ccw(c95.416,15.614) 95.416,16.157 ; 95.966,67.856 95.966,68.596 ccw(c95.4,68.596) 95.8,68.997 ccw(c95.416,68.613) 95.416,69.156 ; 96.053,43.194 ccw(c97.289,44.43) 97.289,42.682 ; 96.053,96.193 ccw(c97.289,97.429) 97.289,95.681 ; 96.095,33.696 cw(c95.491,34.184) 95.491,33.407 ; 96.095,86.695 cw(c95.491,87.183) 95.491,86.406